# Altium PCB MINI_BLDC_DRV.PcbDoc (part 1 of 2)
Units mil, origin at the board's own origin, x right, y up, seen from the top; angles counter-clockwise.
Board outline 3935 x 3067 mil, 2 copper layers (Top Layer, Bottom Layer); 225 components, 152 nets, 664 pads, 235 vias.
Unrouted connection lines stored in the file: 45.
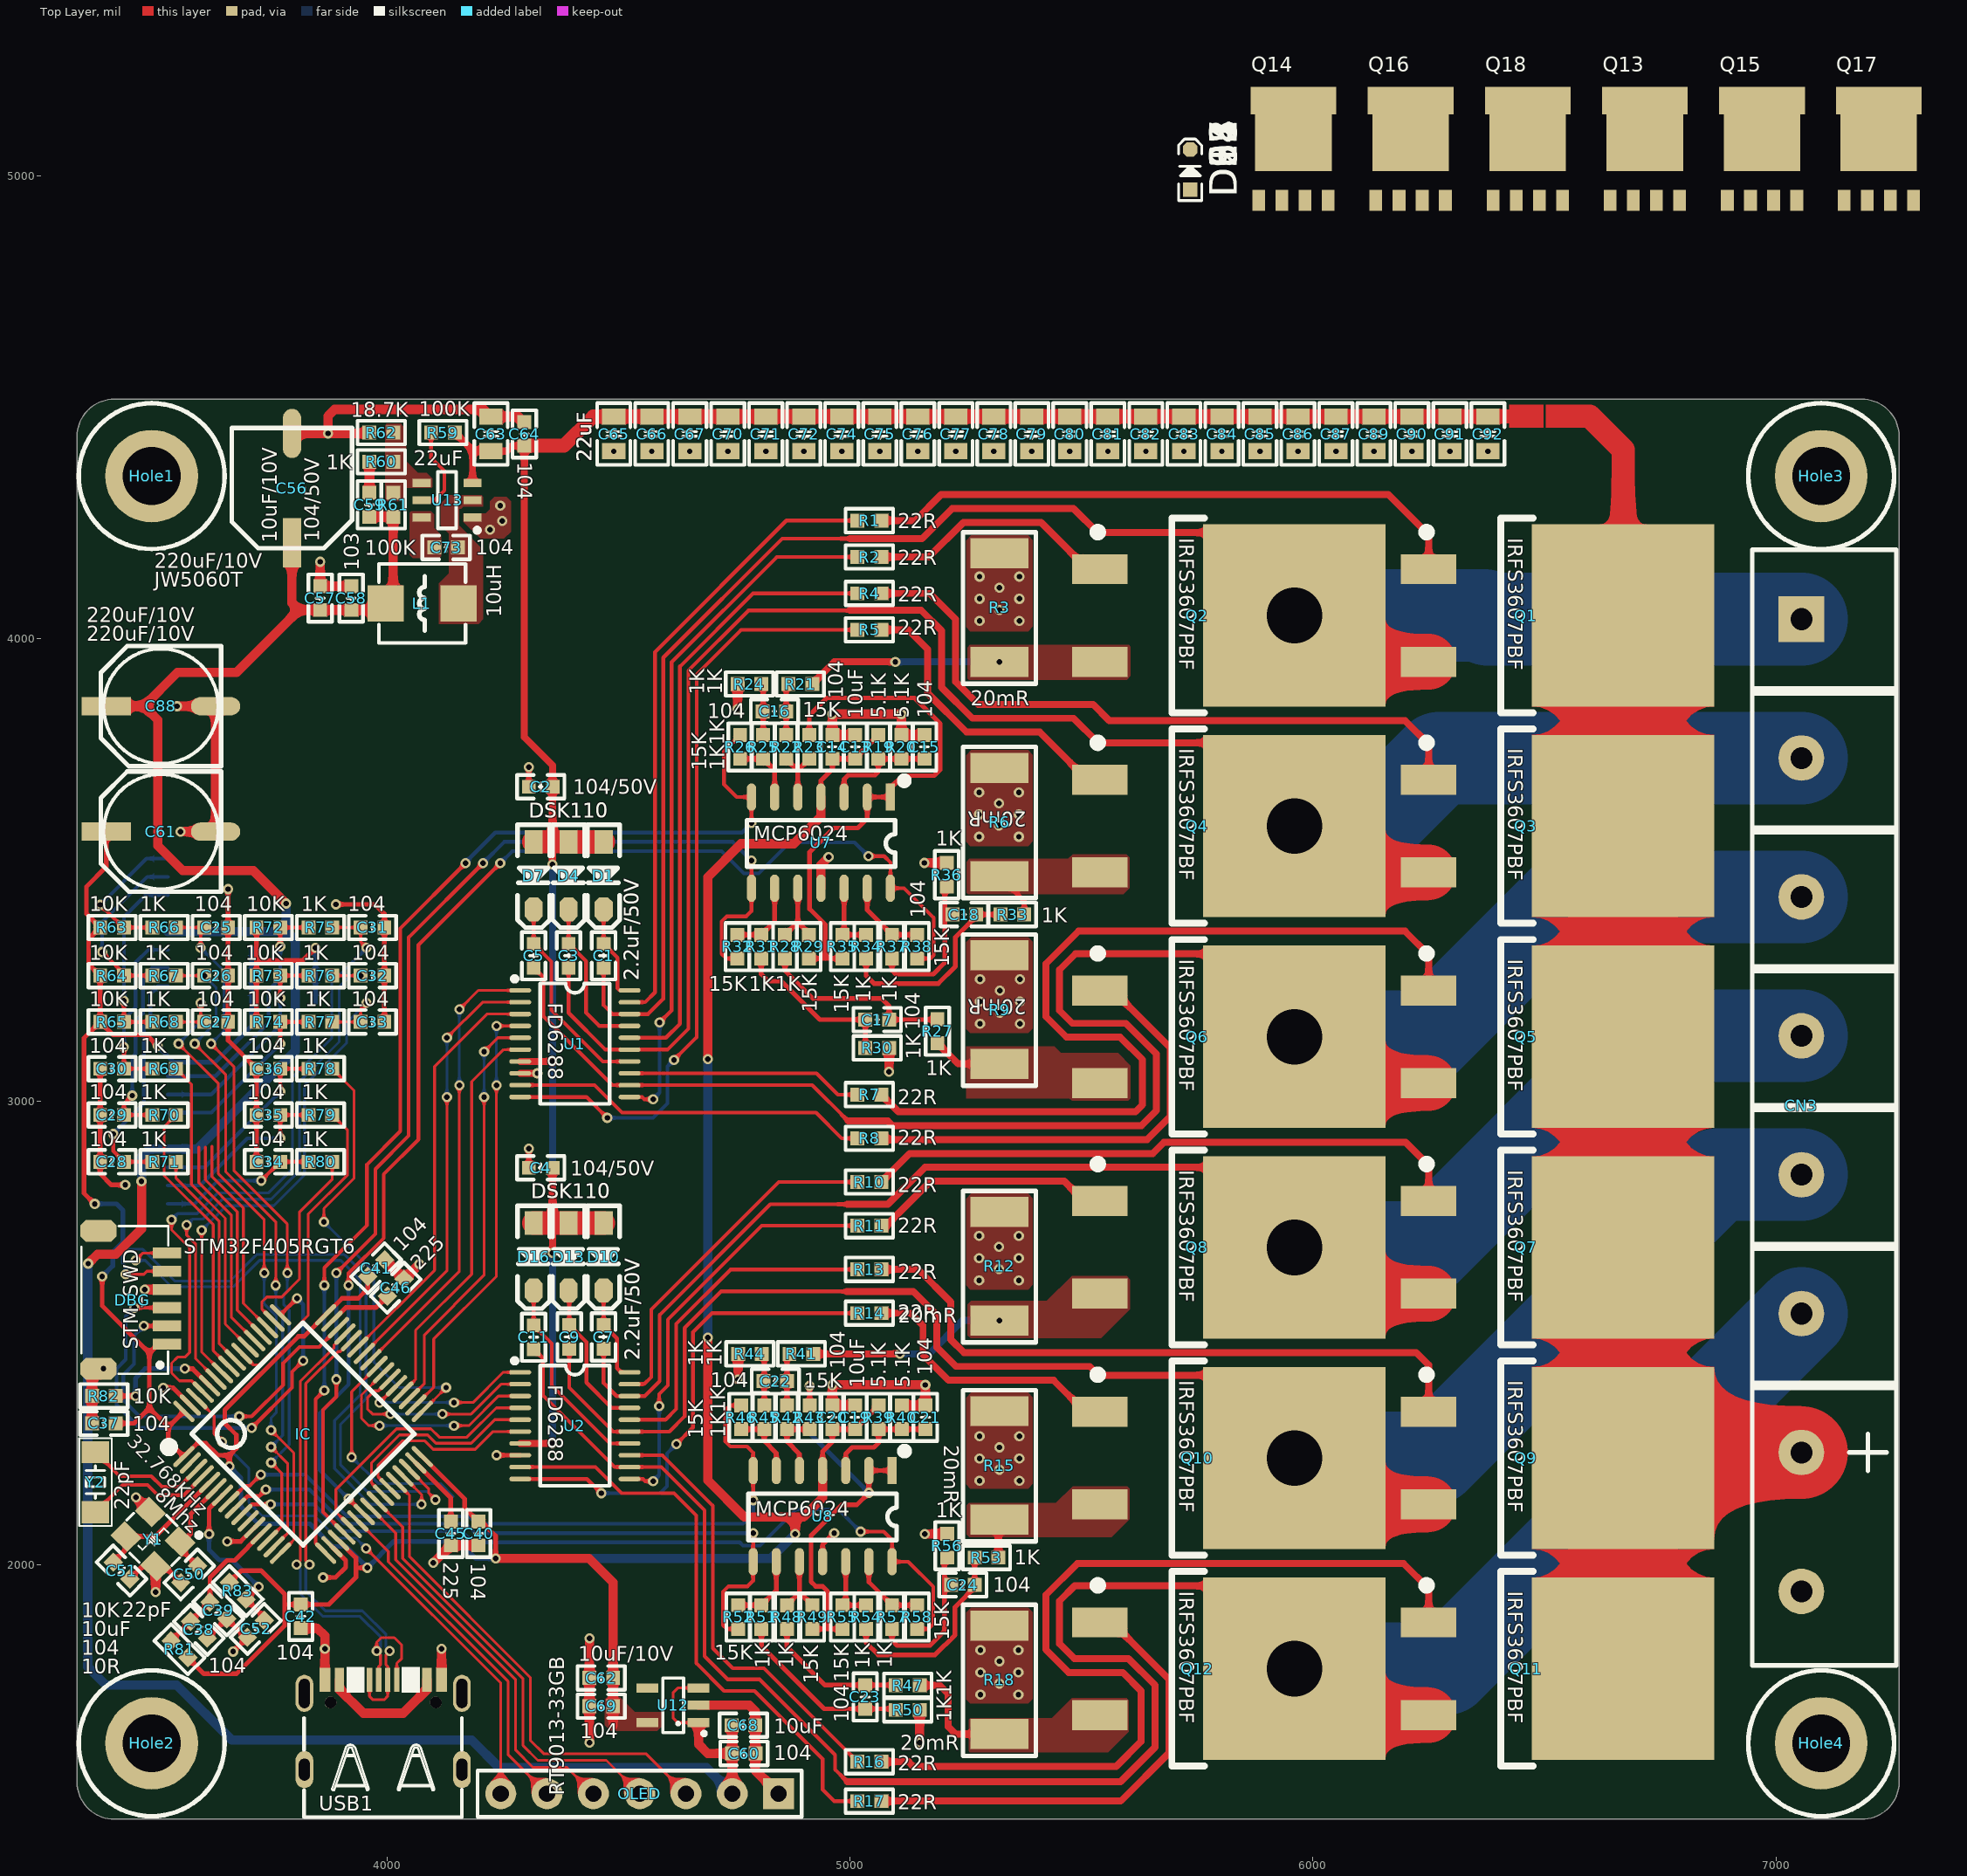
[diagram p0: Top Layer view]
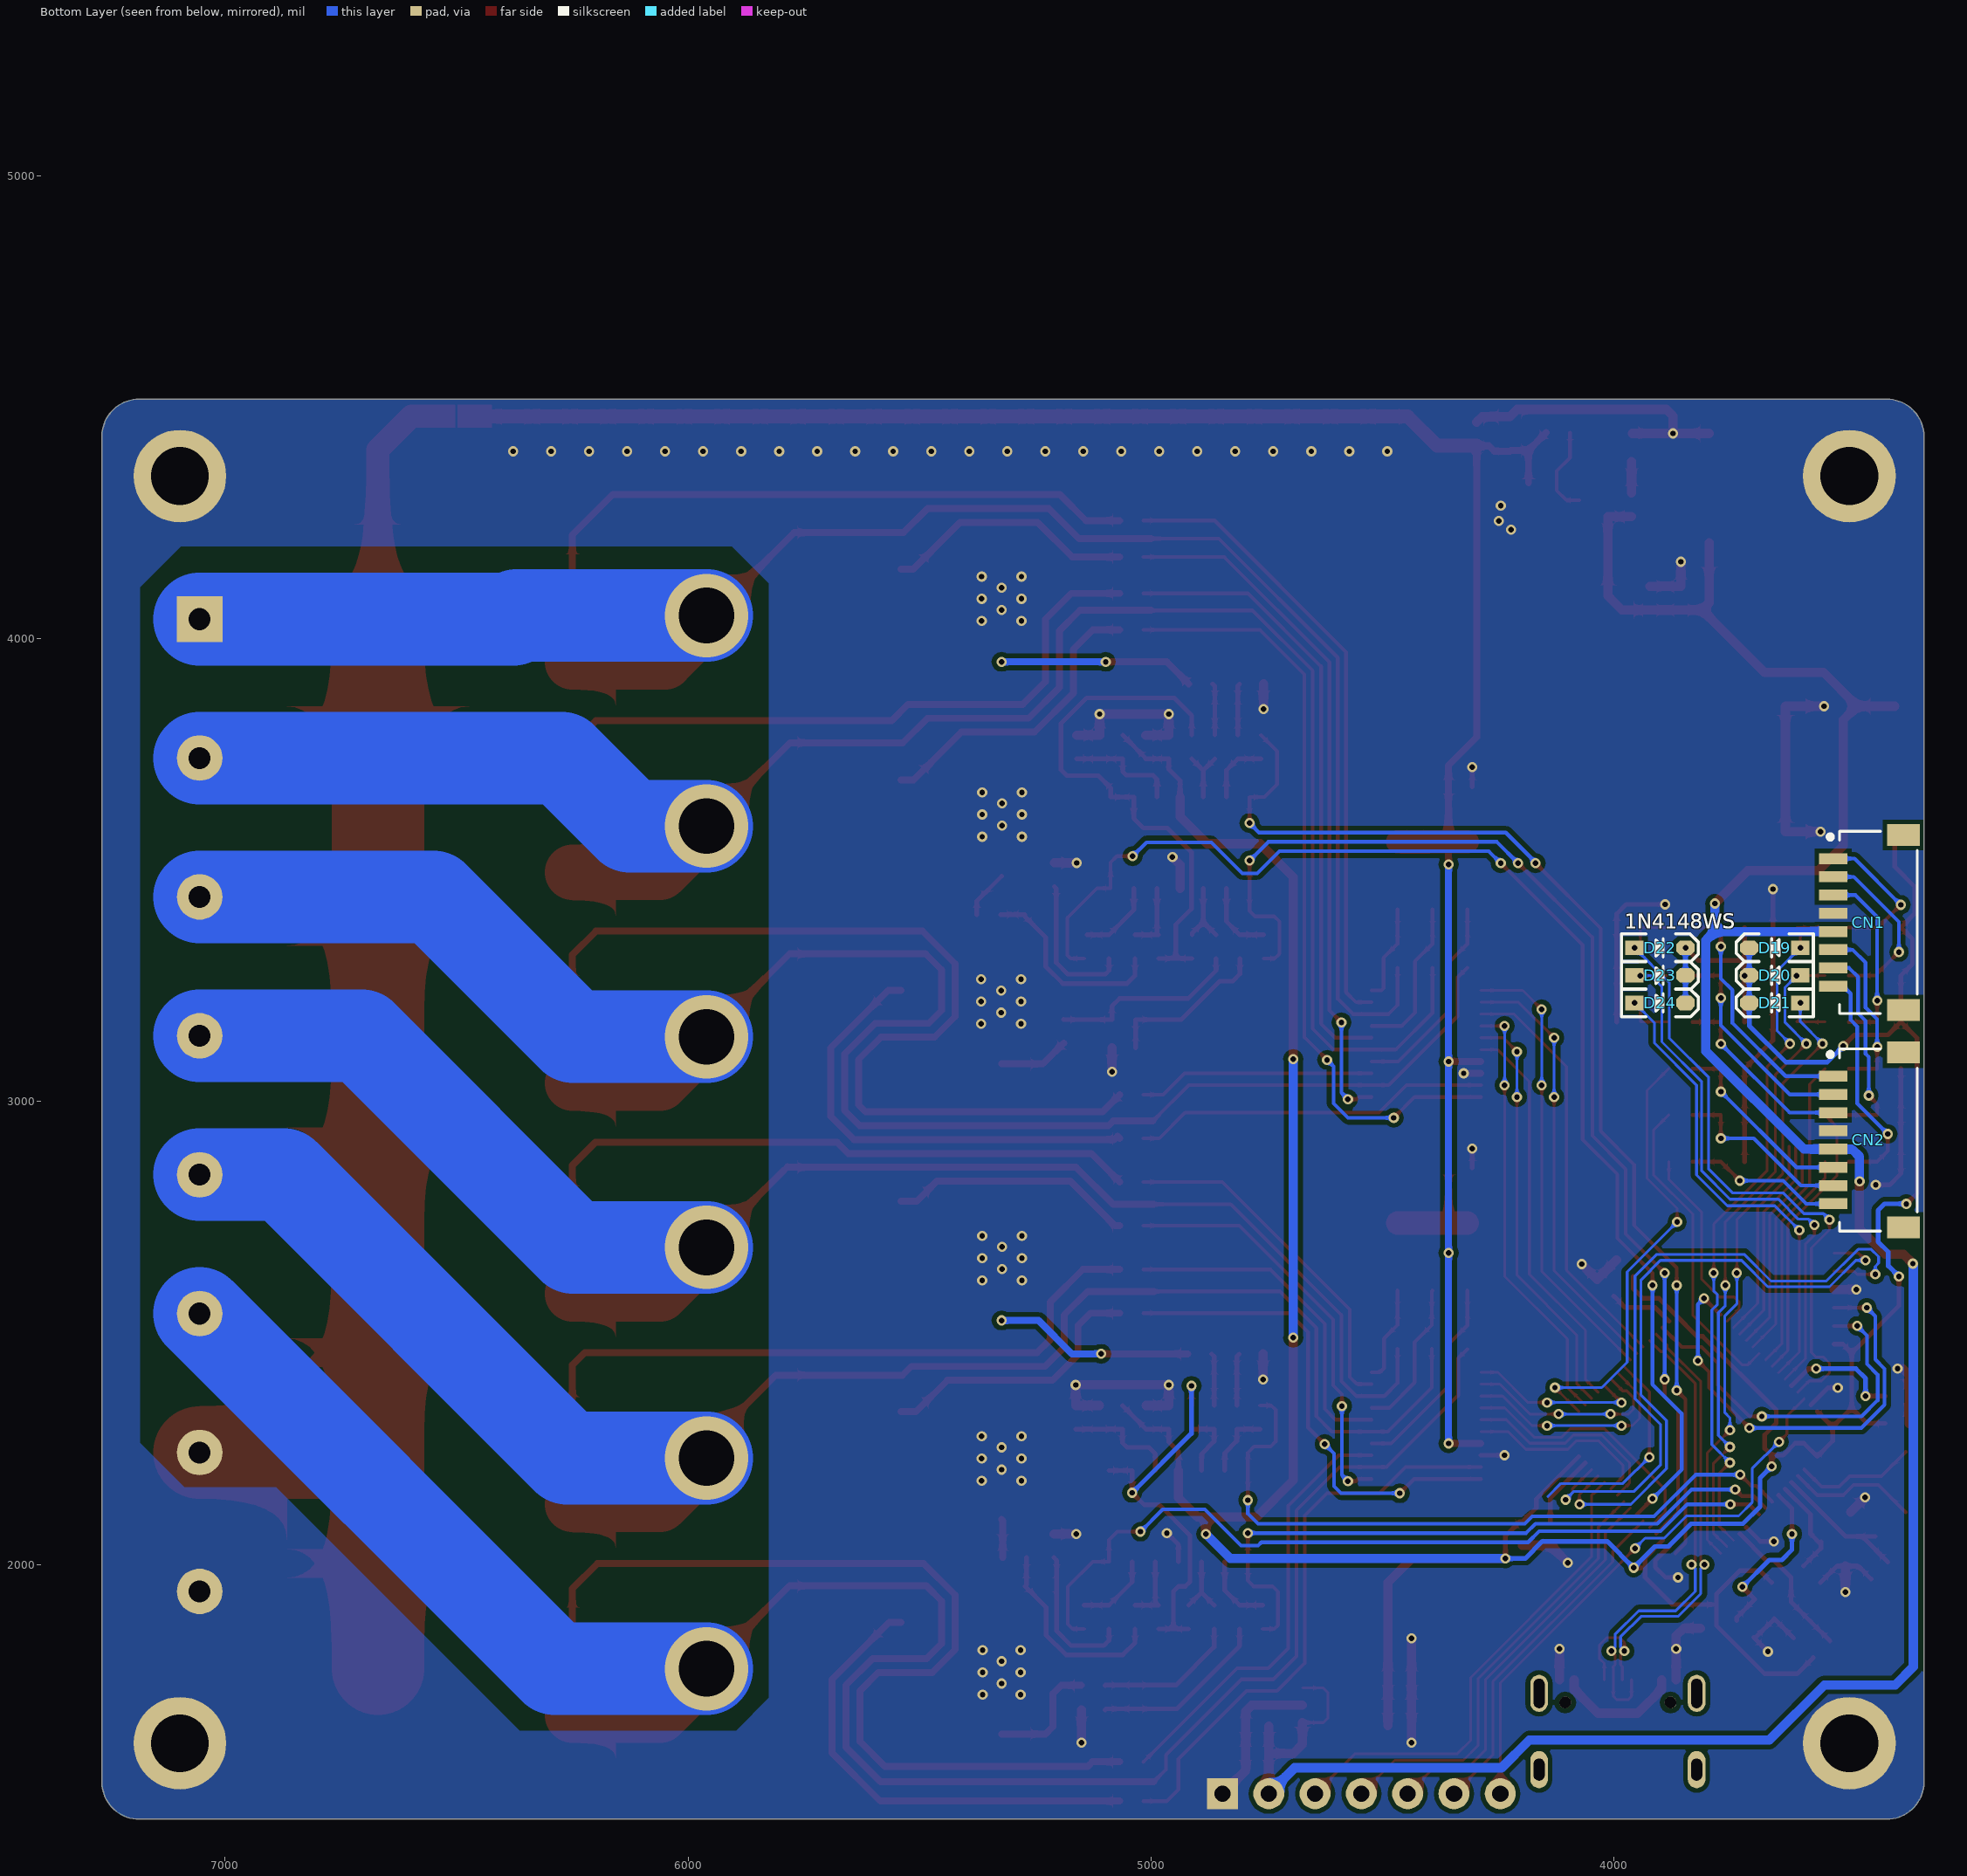
[diagram p1: Bottom Layer view, seen from below]

## Layer stack, top to bottom
Top Solder: solder mask 0.4, Solder Resist, Dk 3.5
Top Layer: signal copper 1.4
Dielectric 1: dielectric 12.6, FR-4, Dk 4.8
Bottom Layer: signal copper 1.4
Bottom Solder: solder mask 0.4, Solder Resist, Dk 3.5

## Board outline
3331,1530 3331,4437 cw(c3411,4437) 3411,4517 7186,4517 cw(c7186,4437) 7266,4437 7266,1530 cw(c7186,1530) 7186,1450 3411,1450 cw(c3411,1530)

## Design rules (kind name [scope] priority, off if disabled: settings)
Clearance [All] p1: gap=5 except(10: Arc-Poly Track-Via Track-Poly SMDPad-Poly THPad-Poly Via-Poly Fill-Poly Poly-Poly)
DiffPairsRouting DiffPair_USBDiffPairsRouting [InDifferentialPair('USB')] p1: maxlimit=6 minlimit=6 mostfreqgap=6 toplayer_minwidth=6 toplayer_maxwidth=6 toplayer_prefwidth=6 bottomlayer_minwidth=6 bottomlayer_maxwidth=6 bottomlayer_prefwidth=6 maxuncoupledlength=500
DiffPairsRouting [All] p2: maxlimit=10 minlimit=10 mostfreqgap=10 toplayer_minwidth=15 toplayer_maxwidth=15 toplayer_prefwidth=15 bottomlayer_minwidth=15 bottomlayer_maxwidth=15 bottomlayer_prefwidth=15 maxuncoupledlength=500
HoleToHoleClearance [All] p1: gap=5 allowstackedmicrovias=TRUE
MatchedLengths DiffPair_USBMatchedLengths [All] p1: tolerance=1000 checknetsindiffpair=FALSE checkdiffpairvsdiffpair=TRUE checkxsignals=TRUE checkothers=TRUE
MinimumSolderMaskSliver [All] p1: minsoldermaskwidth=1
PlaneConnect [All] p1: planeconnectstyle=Direct reliefexpansion=20 reliefentries=4 reliefconductorwidth=10 reliefairgap=10
PolygonConnect [All] p1: connectstyle=Direct reliefconductorwidth=10 reliefentries=4 polygonreliefangle="90 Angle" airgapwidth=10
RoutingVias [All] p1: holewidth=12 width=22 viastyle="Through Hole" minholewidth=12 minwidth=22 maxholewidth=200 maxwidth=500
SilkToSilkClearance [All] p1: silktosilkclearance=2
SilkToSolderMaskClearance [IsPad] p1: minsilkscreentomaskgap=0 clearancetoexposedcopper=TRUE
SolderMaskExpansion [All] p1: expansion=4
Width [All] p1: maxlimit=200 minlimit=6 preferedwidth=10 minimp=50.000000 maximp=50.000000 favimp=50.000000
24 further rules are at their usual default settings.

## Classes and differential pairs
component class MINI_BLDC_DRV_POWER: C1 C2 C3 C4 C5 C7 C9 C11 C13 C14 C15 C16 C17 C18 C19 C20 C21 C22 C23 C24 C25 C26 C27 C28 C29 C30 C31 C32 C33 C34 C35 C36 C56 C57 C58 C59 C60 C61 C62 C63 C64 C68 C69 C73 C88 CN1 CN2 CN3 D1 D2 D3 D4 D5 D6 D7 D8 D9 D10 D11 D12 D13 D14 D15 D16 D17 D18 D19 D20 D21 D22 D23 D24 Hole1 Hole2 Hole3 Hole4 L1 Q1 Q2 Q3 Q4 Q5 Q6 Q7 Q8 Q9 Q10 Q11 Q12 R1 R2 R3 R4 R5 R6 R7 R8 R9 R10 R11 R12 R13 R14 R15 R16 R17 R18 R19 R20 R21 R22 R23 R24 R25 R26 R27 R28 R29 R30 R31 R32 R33 R34 R35 R36 R37 R38 R39 R40 R41 R42 R43 R44 R45 R46 R47 R48 R49 R50 R51 R52 R53 R54 R55 R56 R57 R58 R59 R60 R61 R62 R63 R64 R65 R66 R67 R68 R69 R70 R71 R72 R73 R74 R75 R76 R77 R78 R79 R80 U1 U2 U7 U8 U12 U13
component class MINI_BLDC_DRV_MCU: C37 C38 C39 C40 C41 C42 C45 C46 C50 C51 C52 DBG IC OLED Q13 Q14 Q15 Q16 Q17 Q18 R81 R82 R83 USB1 Y1 Y2

## Components (designator, comment, footprint, x,y, rotation, side; value= is the part's Value field where it differs from the comment)
C1 "2.2uF/50V" "C 0603_L" 4468,3315 r90 top
C2 "104/50V" "C 0603_L" 4332.18,3680 r0 top
C3 "2.2uF/50V" "C 0603_L" 4392.5,3315 r90 top
C4 "104/50V" "C 0603_L" 4332.18,2857 r0 top
C5 "2.2uF/50V" "C 0603_L" 4316.99,3315 r90 top
C7 "2.2uF/50V" "C 0603_L" 4468,2491.59 r90 top
C9 "2.2uF/50V" "C 0603_L" 4393.99,2491.59 r90 top
C11 "2.2uF/50V" "C 0603_L" 4316.99,2491.01 r90 top
C13 "10uF" "C 0603_L" 5011.76,3765.99 r270 top
C14 "104" "C 0603_L" 4962.01,3765.99 r270 top
C15 "104" "C 0603_L" 5161,3766 r90 top
C16 "104" "C 0603_L" 4837,3843 r180 top
C17 "104" "C 0603_L" 5059,3177 r180 top
C18 "104" "C 0603_L" 5247,3404 r180 top
C19 "10uF" "C 0603_L" 5011,2317.99 r270 top
C20 "104" "C 0603_L" 4962,2317.99 r270 top
C21 "104" "C 0603_L" 5163,2318 r90 top
C22 "104" "C 0603_L" 4839,2396 r180 top
C23 "104" "C 0603_L" 5033,1714 r270 top
C24 "104" "C 0603_L" 5244,1956 r180 top
C25 "104" "C 0603_L" 3631.45,3376 r0 top
C26 "104" "C 0603_L" 3631.45,3272 r0 top
C27 "104" "C 0603_L" 3631.45,3172 r0 top
C28 "104" "C 0603_L" 3406.41,2870 r180 top
C29 "104" "C 0603_L" 3406.41,2971 r180 top
C30 "104" "C 0603_L" 3406.41,3071 r180 top
C31 "104" "C 0603_L" 3969,3376 r0 top
C32 "104" "C 0603_L" 3969,3272 r0 top
C33 "104" "C 0603_L" 3969,3172 r0 top
C34 "104" "C 0603_L" 3743.96,2870 r180 top
C35 "104" "C 0603_L" 3743.96,2971 r180 top
C36 "104" "C 0603_L" 3743.96,3071 r180 top
C37 "104" "C 0603_L" 3388.81,2305 r0 top
C38 "104" "C 0603_L" 3594,1859 r135 top
C39 "10uF" "C 0603_L" 3636,1901 r135 top
C40 "104" "C 0603_L" 4198,2067 r90 top
C41 "104" "C 0603_L" 3977,2640 r225 top
C42 "104" "C 0603_L" 3814,1888 r90 top
C45 "225" "C 0603_L" 4138,2067 r90 top
C46 "225" "C 0603_L" 4019,2598 r225 top
C50 "22pF" "C 0603_L" 3573,1979 r45 top
C51 "22pF" "C 0603_L" 3427,1987 r135 top
C52 "104" "C 0603_L" 3717,1861 r45 top
C56 "220uF/10V" "CM D(6.3*5.4)" 3795,4325.11 r270 top
C57 "10uF/10V" "C 0603_L" 3856,4087.41 r90 top
C58 "104/50V" "C 0603_L" 3923,4087.41 r90 top
C59 "103" "C 0603_L" 3962.42,4289 r270 top
C60 "104" "C 0603_L" 4771,1592 r0 top
C61 "220uF/10V" "CM D(6.3*5.4)" 3512,3583 r180 top
C62 "10uF/10V" "C 0603_L" 4463,1755 r180 top
C63 "22uF" "C 0805_L" 4225,4442 r90 top
C64 "104" "C 0603_L" 4297,4442 r90 top
C65 "22uF" "C 0805_L" 4490,4442 r90 top (schematic designator C63)
C66 "22uF" "C 0805_L" 4572.09,4442 r90 top (schematic designator C63)
C67 "22uF" "C 0805_L" 4654.17,4442 r90 top (schematic designator C63)
C68 "10uF" "C 0603_L" 4770,1653 r0 top
C69 "104" "C 0603_L" 4463,1694 r180 top
C70 "22uF" "C 0805_L" 4736.26,4442 r90 top (schematic designator C63)
C71 "22uF" "C 0805_L" 4818.35,4442 r90 top (schematic designator C63)
C72 "22uF" "C 0805_L" 4900.43,4442 r90 top (schematic designator C63)
C73 "104" "C 0603_L" 4128,4197 r0 top
C74 "22uF" "C 0805_L" 4982.52,4442 r90 top (schematic designator C63)
C75 "22uF" "C 0805_L" 5064.61,4442 r90 top (schematic designator C63)
C76 "22uF" "C 0805_L" 5146.7,4442 r90 top (schematic designator C63)
C77 "22uF" "C 0805_L" 5228.78,4442 r90 top (schematic designator C63)
C78 "22uF" "C 0805_L" 5310.87,4442 r90 top (schematic designator C63)
C79 "22uF" "C 0805_L" 5392.96,4442 r90 top (schematic designator C63)
C80 "22uF" "C 0805_L" 5475.04,4442 r90 top (schematic designator C63)
C81 "22uF" "C 0805_L" 5557.13,4442 r90 top (schematic designator C63)
C82 "22uF" "C 0805_L" 5639.22,4442 r90 top (schematic designator C63)
C83 "22uF" "C 0805_L" 5721.3,4442 r90 top (schematic designator C63)
C84 "22uF" "C 0805_L" 5803.39,4442 r90 top (schematic designator C63)
C85 "22uF" "C 0805_L" 5885.48,4442 r90 top (schematic designator C63)
C86 "22uF" "C 0805_L" 5967.56,4442 r90 top (schematic designator C63)
C87 "22uF" "C 0805_L" 6049.65,4442 r90 top (schematic designator C63)
C88 "220uF/10V" "CM D(6.3*5.4)" 3512,3854 r180 top
C89 "22uF" "C 0805_L" 6131.74,4442 r90 top (schematic designator C63)
C90 "22uF" "C 0805_L" 6213.82,4442 r90 top (schematic designator C63)
C91 "22uF" "C 0805_L" 6295.91,4442 r90 top (schematic designator C63)
C92 "22uF" "C 0805_L" 6378,4442 r90 top (schematic designator C63)
CN1 "HDR-1X8" "SH1.0 S-W-8P" 3451,3387 r90 bottom
CN2 "HDR-1X8" "SH1.0 S-W-8P" 3451,2917 r90 bottom
CN3 "HDR-1X8" KF7620-8P 7198.7,2992 r270 top
D1 "DSK110" SOD-123F 4468,3488 r270 top
D2 "1N4148WS" SOD-323#1 5735,5013 r90 top
D3 "1N4148WS" SOD-323#1 5735,5013 r90 top
D4 "DSK110" SOD-123F 4392.5,3488 r270 top
D5 "1N4148WS" SOD-323#1 5735,5013 r90 top
D6 "1N4148WS" SOD-323#1 5735,5013 r90 top
D7 "DSK110" SOD-123F 4317,3488 r270 top
D8 "1N4148WS" SOD-323#1 5735,5013 r90 top
D9 "1N4148WS" SOD-323#1 5735,5013 r90 top
D10 "DSK110" SOD-123F 4468,2664.83 r270 top
D11 "1N4148WS" SOD-323#1 5735,5013 r90 top
D12 "1N4148WS" SOD-323#1 5735,5013 r90 top
D13 "DSK110" SOD-123F 4392.5,2664.83 r270 top
D14 "1N4148WS" SOD-323#1 5735,5013 r90 top
D15 "1N4148WS" SOD-323#1 5735,5013 r90 top
D16 "DSK110" SOD-123F 4317,2664.83 r270 top
D17 "1N4148WS" SOD-323#1 5735,5013 r90 top
D18 "1N4148WS" SOD-323#1 5735,5013 r90 top
D19 "1N4148WS" SOD-323#2 3653,3332 r0 bottom
D20 "1N4148WS" SOD-323#2 3653,3272.5 r0 bottom
D21 "1N4148WS" SOD-323#2 3653,3213 r0 bottom
D22 "1N4148WS" SOD-323#2 3901,3332 r180 bottom
D23 "1N4148WS" SOD-323#2 3901,3272.5 r180 bottom
D24 "1N4148WS" SOD-323#2 3901,3213 r180 bottom
DBG "STM_SWD" SH1.0_6P 3451,2571.74 r90 top
Hole1 "M3孔" M3x4_L 3492.06,4351 r0 top locked
Hole2 "M3孔" M3x4_L 3492.06,1614 r0 top locked
Hole3 "M3孔" M3x4_L 7097.7,4351 r0 top locked
Hole4 "M3孔" M3x4_L 7097.7,1614 r0 top locked
IC "STM32F405RGT6" "LQFP64 10X10_L" 3819,2282 r315 top locked
L1 "10uH" L-SMD-0420 4076,4076 r180 top